# KiCad board kup-lulz.kicad_pcb (continued)
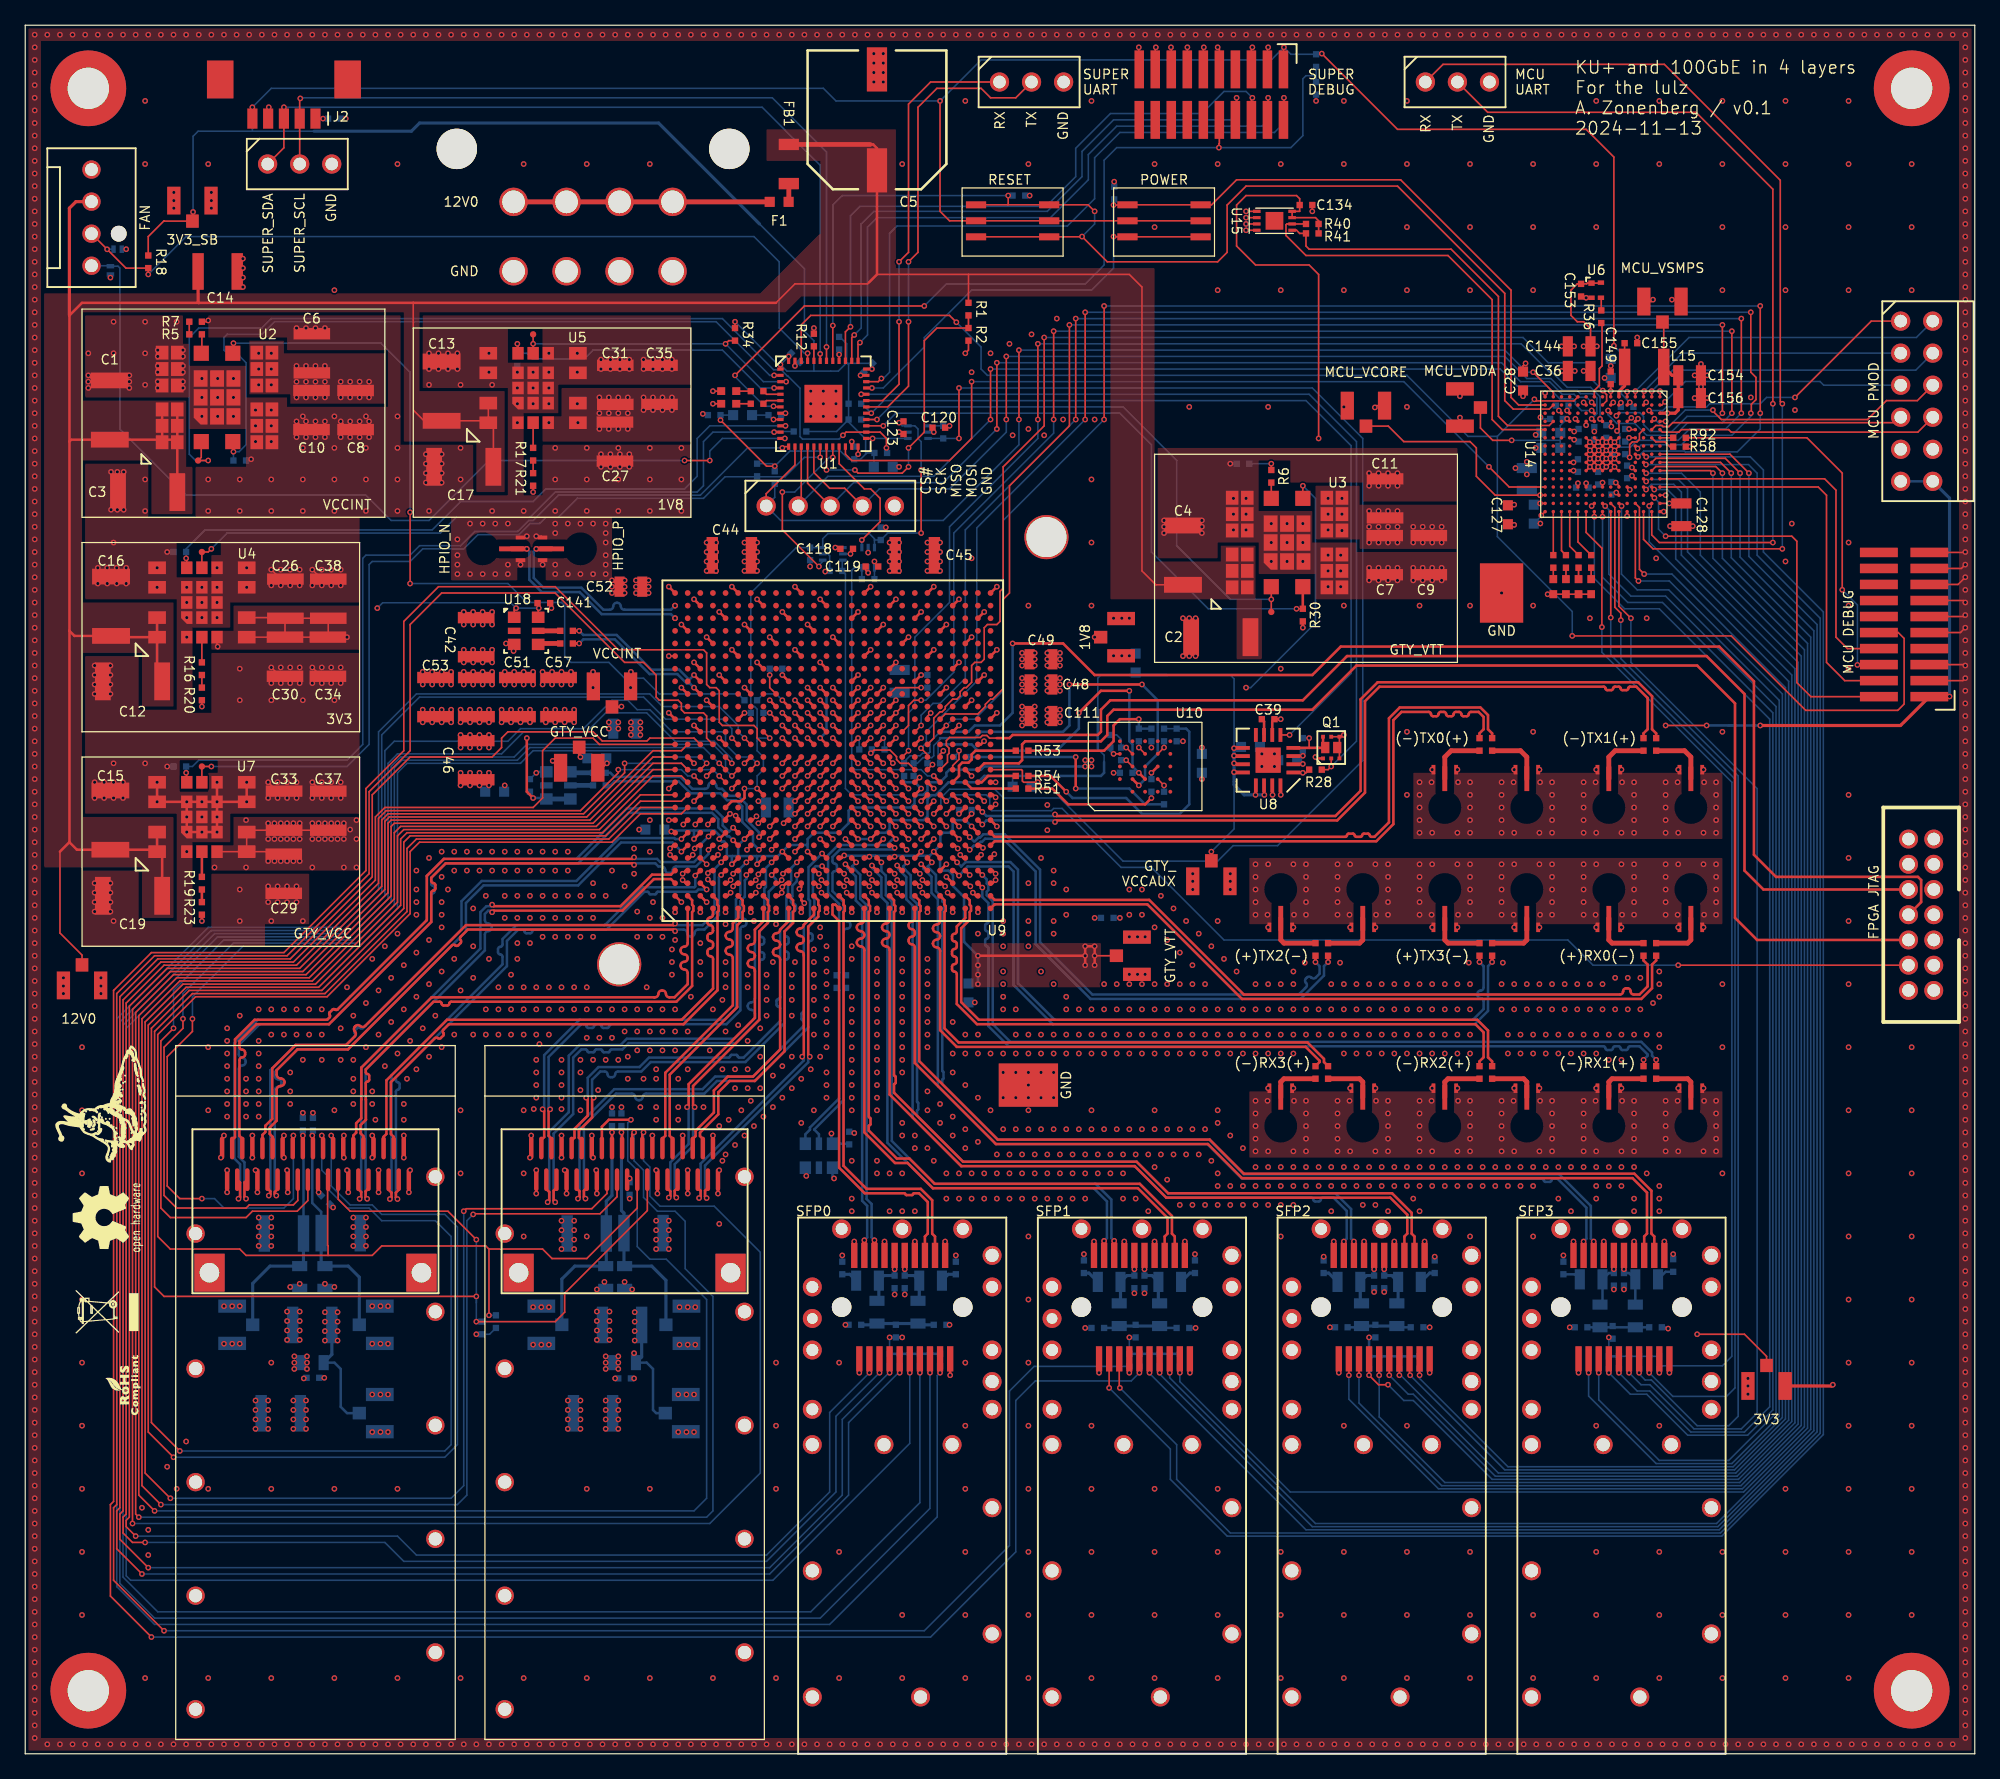
[diagram p0: board, top side]
## Footprints (pads in the part's own frame, mm; a bottom-side part is the same pattern mirrored in y, then rotated) (continued)
CAP_AL_10MM_SMT
  rect 1.6x3.5 smd: 1(0,4) 2(0,-4)
CONN_HEADER_1.27MM_2x10_SMT_SAMTEC_FTSH-110-01-L-DV-K
  rect 0.75x3 smd: 1(-5.715,-2) 2(-5.715,2) 3(-4.445,-2) 4(-4.445,2) 5(-3.175,-2) 6(-3.175,2) 7(-1.905,-2) 8(-1.905,2) 9(-0.635,-2) 10(-0.635,2) 11(0.635,-2) 12(0.635,2) 13(1.905,-2) 14(1.905,2) 15(3.175,-2) 16(3.175,2) 17(4.445,-2) 18(4.445,2) 19(5.715,-2) 20(5.715,2)
CONN_HEADER_2.54MM_1x3_REFLOW
  round 1.524 hole 1: 1(-2.54,0) 2(0,0) 3(2.54,0)
CONN_HEADER_2.54MM_1x5_REFLOW
  round 1.524 hole 1: 1(-5.08,0) 2(-2.54,0) 3(0,0) 4(2.54,0) 5(5.08,0)
CONN_HEADER_2.54MM_2x6_RA_PMOD_HOST
  round 1.524 hole 1: 1(6.35,1.27) 2(3.81,1.27) 3(1.27,1.27) 4(-1.27,1.27) 5(-3.81,1.27) 6(-6.35,1.27) 7(6.35,-1.27) 8(3.81,-1.27) 9(1.27,-1.27) 10(-1.27,-1.27) 11(-3.81,-1.27) 12(-6.35,-1.27)
CONN_MOLEX_KK_0470531000
  round 1.25 hole 1.25 unplated: (-1.27,-2.16)
  round 1.45 hole 1.02: 1(3.81,0) 2(1.27,0) 3(-1.27,0) 4(-3.81,0)
CONN_MOLEX_MINIFITJR_8POS_0039291087
  round 3.5 hole 3.2 unplated: (-10.8,-4.2) (10.8,-4.2)
  round 2.25 hole 1.8: 1(6.3,0) 2(2.1,0) 3(-2.1,0) 4(-6.3,0) 5(6.3,5.5) 6(2.1,5.5) 7(-2.1,5.5) 8(-6.3,5.5)
CONN_MOLEX_PICOBLADE_5POS_0532610571
  rect 2.1x3 smd: (-5.05,3.1) (5.05,3.1)
  rect 0.8x1.6 smd: 1(2.5,0) 2(1.25,0) 3(0,0) 4(-1.25,0) 5(-2.5,0)
CONN_SFP+_AMPHENOL_UE76_A10_2000T
  round 1.55 hole 1.55 unplated: (0.9,4.8) (0.9,-4.8)
  rect 2x0.5 smd: 1(-3.2,3.4) 2(-3.2,2.6) 3(-3.2,1.8) 4(-3.2,1) 5(-3.2,0.2) 6(-3.2,-0.6) 7(-3.2,-1.4) 8(-3.2,-2.2) 9(-3.2,-3) 10(-3.2,-3.8) 11(5,-3.4) 12(5,-2.6) 13(5,-1.8) 14(5,-1) 15(5,-0.2) 16(5,0.6) 17(5,1.4) 18(5,2.2) 19(5,3) 20(5,3.8)
CONN_SFP_CAGE_TE_2007194-1
  round 1.5 hole 1.05: 1(-30,7.125) 1(-30,-1.455) 1(-25,-7.125) 1(-20,7.125) 1(-15,-7.125) 1(-10,7.125) 1(-10,1.445) 1(-10,-3.955) 1(-5,-7.125) 1(5,-7.125)
  round 1.5 hole 0.95: 1(-7.2,7.125) 1(-7.2,-7.125) 1(-2.5,7.125) 1(-2.5,-7.125) 1(2.5,7.125) 1(2.5,-7.125) 1(7.1,4.8) 1(7.1,0) 1(7.1,-4.8)
  round 1.5 hole 0.85: 1(0,7.125)
CONN_SMPM_AMPHENOL_C925-197J-51PT
  rect 0.5x4.5 smd: (-2,0) (2,0)
  rect 1x0.5 smd: (-1.75,-2) (1.75,-2)
  rect 2x0.5 smd: (-1.25,2) (1.25,2)
  rect 0.38x1.95 smd: 1(0,-2.275)
  rect 0.3x0.75 smd: 2(-0.9,-3) 2(0.9,-3)
  round 0.001 smd: ~(0,0)
CONN_U.FL_TE_1909763-1
  rect 1x1.05 smd: 1(0,-1.525)
  rect 1.05x2.2 smd: 2(-1.475,0.1) 2(1.475,0.1)
CONN_ZQSFP+_CAGE_TE_4-2170705-5
  round 1.45 hole 1.05: 1(-9.5,3.1) 1(-9.5,-7.6) 1(-9.5,-16.6) 1(-9.5,-25.6) 1(-9.5,-34.6) 1(9.5,7.6) 1(9.5,-3.1) 1(9.5,-12.1) 1(9.5,-21.1) 1(9.5,-30.1)
CONN_ZQSFP+_TE_1551920-2
  rect 2.4x3 hole 1.55: (-8.4,0) (8.4,0)
  rrect 0.35x1.8 smd: 1(-7,7.37) 2(-6.2,7.37) 3(-5.4,7.37) 4(-4.6,7.37) 5(-3.8,7.37) 6(-3,7.37) 7(-2.2,7.37) 8(-1.4,7.37) 9(-0.6,7.37) 10(0.2,7.37) 11(1,7.37) 12(1.8,7.37) 13(2.6,7.37) 14(3.4,7.37) 15(4.2,7.37) 16(5,7.37) 17(5.8,7.37) 18(6.6,7.37) 19(7.4,7.37) 20(7,9.88) 21(6.2,9.88) 22(5.4,9.88) 23(4.6,9.88) 24(3.8,9.88) 25(3,9.88) 26(2.2,9.88) 27(1.4,9.88) 28(0.6,9.88) 29(-0.2,9.88) 30(-1,9.88) 31(-1.8,9.88) 32(-2.6,9.88) 33(-3.4,9.88) 34(-4.2,9.88) 35(-5,9.88) 36(-5.8,9.88) 37(-6.6,9.88) 38(-7.4,9.88)
DFN_6_0.5MM_1.6x1.6MM_TI_DPK
  rect 0.25x0.6 smd: 1(-0.5,-0.8) 2(0,-0.8) 3(0.5,-0.8) 4(0.5,0.8) 5(0,0.8) 6(-0.5,0.8)
DFN_6_0.65MM_2x2MM_GDS
  rect 0.3x0.3 smd: D1(-0.65,0.86) D2(0.65,-0.86) G1(0,-0.86) G2(0,0.86) S1(-0.65,-0.86) S2(0.65,0.86)
  rect 0.65x0.9 smd: D1(-0.475,0) D2(0.475,0)
DFN_8_0.5MM_2x3MM_TALL
  rect 0.5x0.5 smd: (-0.25,0.25) (-0.25,-0.25) (0.25,0.25) (0.25,-0.25)
  rect 0.25x0.6 smd: 1(-0.75,-1.4) 2(-0.25,-1.4) 3(0.25,-1.4) 4(0.75,-1.4) 5(0.75,1.4) 6(0.25,1.4) 7(-0.25,1.4) 8(-0.75,1.4)
  rect 1.4x1.4 smd: PAD(0,0)
EIA_0402_CAP_NOSILK
  rect 0.5x0.5 smd: 1(-0.5,0) 2(0.5,0)
EIA_0402_JUMPER
  rect 0.5x0.5 smd: 1(-1,0) 2(0,0) 3(1,0)
EIA_0402_LED
  rect 0.635x0.61 smd: 1(-0.597,0) 2(0.597,0)
EIA_0402_RES_NOSILK
  rect 0.5x0.5 smd: 1(-0.5,0) 2(0.5,0)
EIA_0603_CAP_NOSILK
  rect 0.8x0.8 smd: 1(-0.75,0) 2(0.75,0)
EIA_0603_INDUCTOR_NOSILK
  rect 0.8x0.8 smd: 1(-0.75,0) 2(0.75,0)
EIA_0805_CAP_NOSILK
  rect 0.8x1.6 smd: 1(-0.9,0) 2(0.9,0)
EIA_0805_INDUCTOR_NOSILK
  rect 0.8x1.2 smd: 1(-0.9,0) 2(0.9,0)
EIA_1206_CAP_NOSILK
  rect 0.9x1.6 smd: 1(-1.55,-0.015) 2(1.55,-0.015)
EIA_1210_CAP_NOSILK
  rect 0.9x2.9 smd: 1(-1.55,-0.015) 2(1.55,-0.015)
EIA_1812_CAP_NOSILK
  rect 1.25x3 smd: 1(-2.35,0) 2(2.35,0)
HEATSINK_WAKEFIELDVETTE_960-27-12-D-AB-0
  round 3.5 hole 3.18 unplated: (-16.93,-16.93) (16.93,16.93)
MECHANICAL_CLEARANCEHOLE_4_40
  round 6 hole 3.27: 1(0,0)
MODULE_MURATA_MYMGK1R812
  rect 1.1x1 smd: 1(-3.55,4.35) 2(-2.25,4.35) 3(-0.95,4.35) 4(-3.55,3.15) 5(-2.25,3.15) 6(-0.95,3.15) 9(-3.55,-3.15) 10(-2.25,-3.15) 11(-0.95,-3.15) 12(-3.55,-4.35) 13(-2.25,-4.35) 14(-0.95,-4.35) 15(0.95,-3.15) 16(2.25,-3.15) 17(3.55,-3.15) 18(0.95,-4.35) 19(2.25,-4.35) 20(3.55,-4.35) 23(0.95,4.35) 24(2.25,4.35) 25(3.55,4.35) 26(0.95,3.15) 27(2.25,3.15) 28(3.55,3.15)
  rect 1.2x1.2 smd: 7(-3.5,1.25) 8(-3.5,-1.25) 21(3.5,-1.25) 22(3.5,1.25)
  rrect 1.3x1.1 smd: 29(-1.5,1.3)
  rect 1.3x1.1 smd: 30(0,1.3) 31(1.5,1.3) 32(1.5,0) 33(0,0) 34(-1.5,0) 35(-1.5,-1.3) 36(0,-1.3) 37(1.5,-1.3)
MODULE_MURATA_MYMGK00504ERSR
  rect 1x1.4 smd: 1(-2.75,3.55) 2(-1.2,3.55) 6(-2.75,-3.55) 7(-1.2,-3.55) 8(1.2,-3.55) 9(2.75,-3.55) 13(2.75,3.55) 14(1.2,3.55)
  rect 1x0.9 smd: 3(-2.75,1.2) 4(-2.75,0) 5(-2.75,-1.2) 10(2.75,-1.2) 11(2.75,0) 12(2.75,1.2) 16(-1.2,0) 17(-1.2,-1.2) 18(0,1.2) 19(0,0) 20(0,-1.2) 21(1.2,1.2) 22(1.2,0) 23(1.2,-1.2)
  rrect 1x0.9 smd: 15(-1.2,1.2)
OSCILLATOR_1.6x1.2
  rect 0.43x0.5 smd: 1(-0.56,-0.375)
  rect 0.35x0.5 smd: 2(0.6,-0.375) 3(0.6,0.375) 4(-0.6,0.375)
OSCILLATOR_LVDS_3.2x2.5
  rect 0.9x1 smd: 1(-1.075,-0.95) 3(1.075,-0.95) 4(1.075,0.95) 6(-1.075,0.95)
  rect 0.5x1 smd: 2(0,-0.95) 5(0,0.95)
QFN_16_0.65MM_4x4MM
  rect 1.1x0.3 smd: 1(-2,0.975) 2(-2,0.325) 3(-2,-0.325) 4(-2,-0.975) 9(2,-0.975) 10(2,-0.325) 11(2,0.325) 12(2,0.975)
  rect 0.3x1.1 smd: 5(-0.975,-2) 6(-0.325,-2) 7(0.325,-2) 8(0.975,-2) 13(0.975,2) 14(0.325,2) 15(-0.325,2) 16(-0.975,2)
  rect 2x2 smd: PAD(0,0)
QFN_48_0.5MM_7x7MM
  rect 0.6x0.6 smd: (-1,1) (-1,0) (-1,-1) (0,1) (0,0) (0,-1) (1,1) (1,0) (1,-1)
  rect 0.5x0.25 smd: 1(-3.4,2.75) 2(-3.4,2.25) 3(-3.4,1.75) 4(-3.4,1.25) 5(-3.4,0.75) 6(-3.4,0.25) 7(-3.4,-0.25) 8(-3.4,-0.75) 9(-3.4,-1.25) 10(-3.4,-1.75) 11(-3.4,-2.25) 12(-3.4,-2.75) 25(3.4,-2.75) 26(3.4,-2.25) 27(3.4,-1.75) 28(3.4,-1.25) 29(3.4,-0.75) 30(3.4,-0.25) 31(3.4,0.25) 32(3.4,0.75) 33(3.4,1.25) 34(3.4,1.75) 35(3.4,2.25) 36(3.4,2.75)
  rect 0.25x0.5 smd: 13(-2.75,-3.4) 14(-2.25,-3.4) 15(-1.75,-3.4) 16(-1.25,-3.4) 17(-0.75,-3.4) 18(-0.25,-3.4) 19(0.25,-3.4) 20(0.75,-3.4) 21(1.25,-3.4) 22(1.75,-3.4) 23(2.25,-3.4) 24(2.75,-3.4) 37(2.75,3.4) 38(2.25,3.4) 39(1.75,3.4) 40(1.25,3.4) 41(0.75,3.4) 42(0.25,3.4) 43(-0.25,3.4) 44(-0.75,3.4) 45(-1.25,3.4) 46(-1.75,3.4) 47(-2.25,3.4) 48(-2.75,3.4)
  rect 3x3 smd: PAD(0,0)
SOD882
  rect 0.35x0.6 smd: 1(-0.325,0) 2(0.325,0)
SWITCH_RAFI_MICON_5
  rect 0.55x1.6 smd: 1(-1.27,2.9) 1(-1.27,-2.9) 1(1.27,2.9) 1(1.27,-2.9) 2(0,2.9) 2(0,-2.9)
TESTPOINT_SMT_0.5MM
  round 0.5 smd: 1(0,0)
TESTPOINT_SMT_KEYSTONE_5016
  rect 4.7x3.43 smd: 1(0,0)
XILINX_JTAG_PTH_MOLEX_0878311420
  round 1.5 hole 1: 1(-6,-1) 2(-6,1) 3(-4,-1) 4(-4,1) 5(-2,-1) 6(-2,1) 7(0,-1) 8(0,1) 9(2,-1) 10(2,1) 11(4,-1) 12(4,1) 13(6,-1) 14(6,1)

## Nets
/3V3: C26.1 C28.1 C30.1 C34.1 C36.1 C38.1 C40.1 C46.1 C50.1 C79.1 C80.1 C81.1 C82.1 C111.1 C121.1 C122.1 C123.1 C125.1 C127.1 C130.1 C131.1 C132.2 C134.1 C135.1 C136.1 C141.1 C144.1 C145.1 C146.2 C147.1 C148.2 C149.1 C150.2 C151.1 C152.2 C153.1 FB3.1 J4.1 J38.6 J38.12 L7.2 L8.2 L9.2 L10.2 L11.2 L12.2 R28.2 R31.1 R40.2 R41.2 R42.2 R58.2 R60.1 R61.1 R62.2 R65.2 R66.2 R67.1 R68.1 R69.2 R72.2 R73.2 R74.1 R75.1 R76.2 R79.2 R80.2 R82.1 R83.1 R84.2 R87.2 R88.2 R94.2 TP11.1 U4.5 U4.6 U4.7 U6.1 U6.4 U8.1 U8.2 U8.3 U8.15 U8.16 U9.AC15 U9.E9 U9.E14 U9.H10 U9.H15 U9.Y14 U11.6 U12.6 U13.6 U14.D4 U14.D5 U14.D11 U14.E4 U14.E12 U14.E15 U14.F13 U14.G1 U14.G4 U14.H12 U14.K4 U14.L12 U14.M3 U14.M5 U14.M9 U15.7 U15.8 U16.1 U16.6 U17.1 U17.6 U18.1 U18.6
/3V3_SB: C18.1 C20.1 C21.1 C23.1 C25.1 C126.1 FB2.2 J2.5 J41.1 R9.2 R15.1 R18.2 R22.2 R24.2 R26.2 R29.2 R33.2 R34.2 R38.2 SW1.2 SW2.2 TP13.1 U1.1 U1.24 U1.36 U1.48 U14.E2
/12V0: C1.1 C2.1 C3.1 C4.1 C5.1 C12.1 C13.1 C14.1 C15.1 C16.1 C17.1 C19.1 FB1.2 J13.2 R1.1 TP9.1 U2.1 U2.2 U2.3 U2.4 U2.5 U2.6 U3.1 U3.2 U3.3 U3.4 U3.5 U3.6 U4.1 U4.2 U5.1 U5.2 U7.1 U7.2
/FPGA support/1V8: C27.1 C31.1 C35.1 C44.1 C45.1 C48.1 C49.1 C52.1 C59.1 C60.1 C118.1 C119.1 C120.1 J6.2 R43.1 R55.2 R56.2 R57.2 R89.2 R90.2 R91.2 TP15.1 U5.5 U5.6 U5.7 U9.AA10 U9.AA11 U9.AA21 U9.AB18 U9.AD12 U9.AD22 U9.C20 U9.D17 U9.E24 U9.G18 U9.H25 U9.J22 U9.M18 U9.N14 U9.N18 U9.P18 U9.P22 U9.R18 U9.T18 U9.U23 U9.W9 U9.Y9 U9.Y24 U10.B4 U11.1 U11.5 U12.1 U12.5 U13.1
/FPGA support/VCCINT: C6.1 C8.1 C10.1 C42.1 C43.1 C47.1 C51.1 C53.1 C54.1 C55.1 C56.1 C57.1 C58.1 J5.1 R10.2 TP10.1 U2.15 U2.16 U2.17 U2.18 U2.19 U2.20 U9.K11 U9.K13 U9.K15 U9.K17 U9.L9 U9.L10 U9.L12 U9.L14 U9.L16 U9.M9 U9.M11 U9.M13 U9.M15 U9.M17 U9.N9 U9.N10 U9.N12 U9.N16 U9.P9 U9.P11 U9.P15 U9.P17 U9.R9 U9.R10 U9.R12 U9.R16 U9.T9 U9.T11 U9.T15 U9.T17 U9.U9 U9.U10 U9.U12 U9.U14 U9.U16 U9.V9 U9.V11 U9.V13 U9.V15 U9.V17
/GND: C1.2 C2.2 C3.2 C4.2 C5.2 C6.2 C7.2 C8.2 C9.2 C10.2 C11.2 C12.2 C13.2 C14.2 C15.2 C16.2 C17.2 C18.2 C19.2 C20.2 C21.2 C22.2 C23.2 C24.2 C25.2 C26.2 C27.2 C28.2 C29.2 C30.2 C31.2 C32.2 C33.2 C34.2 C35.2 C36.2 C37.2 C38.2 C39.2 C40.2 C41.2 C42.2 C43.2 C44.2 C45.2 C46.2 C47.2 C48.2 C49.2 C50.2 C51.2 C52.2 C53.2 C54.2 C55.2 C56.2 C57.2 C58.2 C59.2 C60.2 C61.2 C62.2 C65.2 C66.2 C67.2 C68.2 C71.2 C72.2 C73.2 C74.2 C77.2 C78.2 C79.2 C80.2 C81.2 C82.2 C83.2 C84.2 C85.2 C86.2 C87.2 C88.2 C89.2 C90.2 C91.2 C92.2 C93.2 C94.2 C111.2 C112.2 C113.2 C116.2 C117.2 C118.2 C119.2 C120.2 C121.2 C122.2 C123.2 C124.2 C125.2 C126.2 C127.2 C128.2 C129.2 C130.2 C131.2 C132.1 C133.2 C134.2 C135.2 C136.2 C141.2 C144.2 C145.2 C146.1 C147.2 C148.1 C149.2 C150.1 C151.2 C152.1 C153.2 C154.2 C155.2 C156.2 C157.2 C158.2 C159.2 C160.2 C161.2 C162.2 D1.1 D2.1 D3.1 D4.1 D5.1 D6.1 D7.1 D8.1 J1.5 J1.6 J1.7 J1.8 J2.4 J3.3 J4.3 J4.5 J4.9 J4.11 J4.13 J4.15 J4.17 J4.19 J5.3 J6.3 J6.5 J6.7 J6.9 J6.11 J7.1 J7.10 J7.11 J7.14 J7.17 J7.20 J8.1 J9.1 J9.10 J9.11 J9.14 J9.17 J9.20 J10.1 J11.1 J11.10 J11.11 J11.14 J11.17 J11.20 J12.1 J13.1 J14.2 J15.1 J15.4 J15.7 J15.13 J15.16 J15.19 J15.20 J15.23 J15.26 J15.32 J15.35 J15.38 J16.1 J16.4 J16.7 J16.13 J16.16 J16.19 J16.20 J16.23 J16.26 J16.32 J16.35 J16.38 J17.2 J18.2 J19.2 J20.2 J21.2 J22.2 J23.2 J24.2 J25.2 J26.2 J27.2 J28.2 J29.2 J30.2 J31.2 J32.2 J33.1 J33.10 J33.11 J33.14 J33.17 J33.20 J34.1 J35.1 J36.1 J38.5 J38.11 J39.3 J40.2 J41.3 J41.5 J41.9 J41.11 J41.13 J41.15 J41.17 J41.19 Q1.D2 Q1.G2 Q1.S1 Q1.S2 R2.2 R3.1 R4.1 R7.1 R8.1 R12.2 R20.1 R21.1 R23.1 R25.2 R27.2 R30.2 R32.2 R35.2 R37.1 R39.2 R63.1 R64.1 R70.1 R71.1 R77.1 R78.1 R85.1 R86.1 R95.1 R96.1 R97.1 TP5.2 TP7.3 TP8.5 TP9.2 TP10.2 TP11.2 TP12.2 TP13.2 TP14.2 TP15.2 TP16.2 TP17.2 TP18.2 TP19.2 TP20.2 TP21.2 TP22.2 TP23.2 TP24.1 TP25.1 TP26.2 U1.8 U1.23 U1.35 U1.47 U1.PAD U2.9 U2.10 U2.11 U2.12 U2.13 U2.14 U2.23 U2.24 U2.25 U2.26 U2.27 U2.28 U2.29 U2.30 U2.31 U2.32 U2.33 U2.34 U2.35 U2.36 U2.37 U3.9 U3.10 U3.11 U3.12 U3.13 U3.14 U3.23 U3.24 U3.25 U3.26 U3.27 U3.28 U3.29 U3.30 U3.31 U3.32 U3.33 U3.34 U3.35 U3.36 U3.37 U4.3 U4.8 U4.9 U4.10 U4.13 U4.14 U4.15 U4.16 U4.17 U4.18 U4.19 U4.20 U4.21 U4.22 U4.23 U5.3 U5.8 U5.9 U5.10 U5.13 U5.14 U5.15 U5.16 U5.17 U5.18 U5.19 U5.20 U5.21 U5.22 U5.23 U6.2 U7.3 U7.8 U7.9 U7.10 U7.13 U7.14 U7.15 U7.16 U7.17 U7.18 U7.19 U7.20 U7.21 U7.22 U7.23 U8.6 U8.PAD U9.A1 U9.A2 U9.A5 U9.A6 U9.A8 U9.A11 U9.A16 U9.A21 U9.A26 U9.AA1 U9.AA2 U9.AA3 U9.AA6 U9.AA8 U9.AA9 U9.AA16 U9.AA26 U9.AB3 U9.AB4 U9.AB8 U9.AB13 U9.AB23 U9.AC1 U9.AC2 U9.AC3 U9.AC6 U9.AC8 U9.AC9 U9.AC10 U9.AC20 U9.AC25 U9.AD3 U9.AD4 U9.AD5 U9.AD10 U9.AD17 U9.AE1 U9.AE2 U9.AE5 U9.AE6 U9.AE10 U9.AE14 U9.AE19 U9.AE24 U9.AF3 U9.AF4 U9.AF5 U9.AF8 U9.AF9 U9.AF10 U9.AF11 U9.AF12 U9.AF16 U9.AF21 U9.AF26 U9.B3 U9.B4 U9.B5 U9.B8 U9.B13 U9.B18 U9.B23 U9.C1 U9.C2 U9.C5 U9.C6 U9.C8 U9.C10 U9.C15 U9.C25 U9.D3 U9.D4 U9.D5 U9.D8 U9.D12 U9.D22 U9.E1 U9.E2 U9.E3 U9.E6 U9.E8 U9.E19 U9.F3 U9.F4 U9.F8 U9.F11 U9.F16 U9.F21 U9.F26 U9.G1 U9.G2 U9.G3 U9.G6 U9.G8 U9.G13 U9.G23 U9.H3 U9.H4 U9.H8 U9.H20 U9.J1 U9.J2 U9.J3 U9.J6 U9.J8 U9.J17 U9.K3 U9.K4 U9.K8 U9.K12 U9.K14 U9.K16 U9.K19 U9.K24 U9.L1 U9.L2 U9.L3 U9.L6 U9.L8 U9.L11 U9.L13 U9.L15 U9.L17 U9.L21 U9.L26 U9.M3 U9.M4 U9.M8 U9.M10 U9.M12 U9.M14 U9.M16 U9.M23 U9.N1 U9.N2 U9.N3 U9.N6 U9.N8 U9.N11 U9.N13 U9.N15 U9.N17 U9.N20 U9.N25 U9.P3 U9.P4 U9.P8 U9.P10 U9.P12 U9.P13 U9.P14 U9.P16 U9.R1 U9.R2 U9.R3 U9.R6 U9.R8 U9.R11 U9.R13 U9.R14 U9.R15 U9.R17 U9.R19 U9.R24 U9.T3 U9.T4 U9.T8 U9.T10 U9.T12 U9.T13 U9.T14 U9.T16 U9.T21 U9.T26 U9.U1 U9.U2 U9.U3 U9.U6 U9.U8 U9.U11 U9.U13 U9.U15 U9.U17 U9.U18 U9.V3 U9.V4 U9.V8 U9.V10 U9.V12 U9.V14 U9.V16 U9.V20 U9.V25 U9.W1 U9.W2 U9.W3 U9.W6 U9.W8 U9.W11 U9.W17 U9.W22 U9.Y3 U9.Y4 U9.Y8 U9.Y19 U10.B3 U11.2 U12.2 U13.2 U13.5 U14.A1 U14.A15 U14.C2 U14.D6 U14.D10 U14.E1 U14.F2 U14.F6 U14.F7 U14.F8 U14.F9 U14.F10 U14.F12 U14.G6 U14.G7 U14.G8 U14.G9 U14.G10 U14.H6 U14.H7 U14.H8 U14.H9 U14.H10 U14.J6 U14.J7 U14.J8 U14.J9 U14.J10 U14.J14 U14.K2 U14.K6 U14.K7 U14.K8 U14.K9 U14.K10 U14.K12 U14.L4 U14.M6 U14.M10 U14.N3 U14.R1 U14.R15 U15.1 U15.2 U15.3 U15.4 U16.3 U17.3 U18.3
/Power Supply/1V8_EN: R35.1 U1.4 U5.12
/Power Supply/1V8_PGOOD: R34.1 TP4.1 U1.3 U5.11
/Power Supply/3V3_EN: R25.1 U1.10 U4.12
/Power Supply/3V3_PGOOD: R24.1 TP3.1 U1.11 U4.11
/Power Supply/12V0_EN: J2.1 R39.1
/Power Supply/12V0_VMON: R1.2 R2.1 U1.19
/Power Supply/A3V3_SUPER: C24.1 FB2.1 U1.9
/Power Supply/VCCINT_EN: R27.1 U1.2 U2.8
/Power Supply/VCCINT_PGOOD: R26.1 TP1.1 U1.26 U2.7
/Power Supply/VCCINT_SENSE: R10.1 U2.21
/FPGA support/FPGA_DONE: R90.1 U9.AB11 U12.3
